# Altium PCB DRV8432_MotorControler.PcbDoc
Units mil, origin at the board's own origin, x right, y up, seen from the top; angles counter-clockwise.
Board outline 2906.47 x 1828.55 mil, 2 copper layers (Top Layer, Bottom Layer); 56 components, 32 nets, 157 pads, 266 vias.
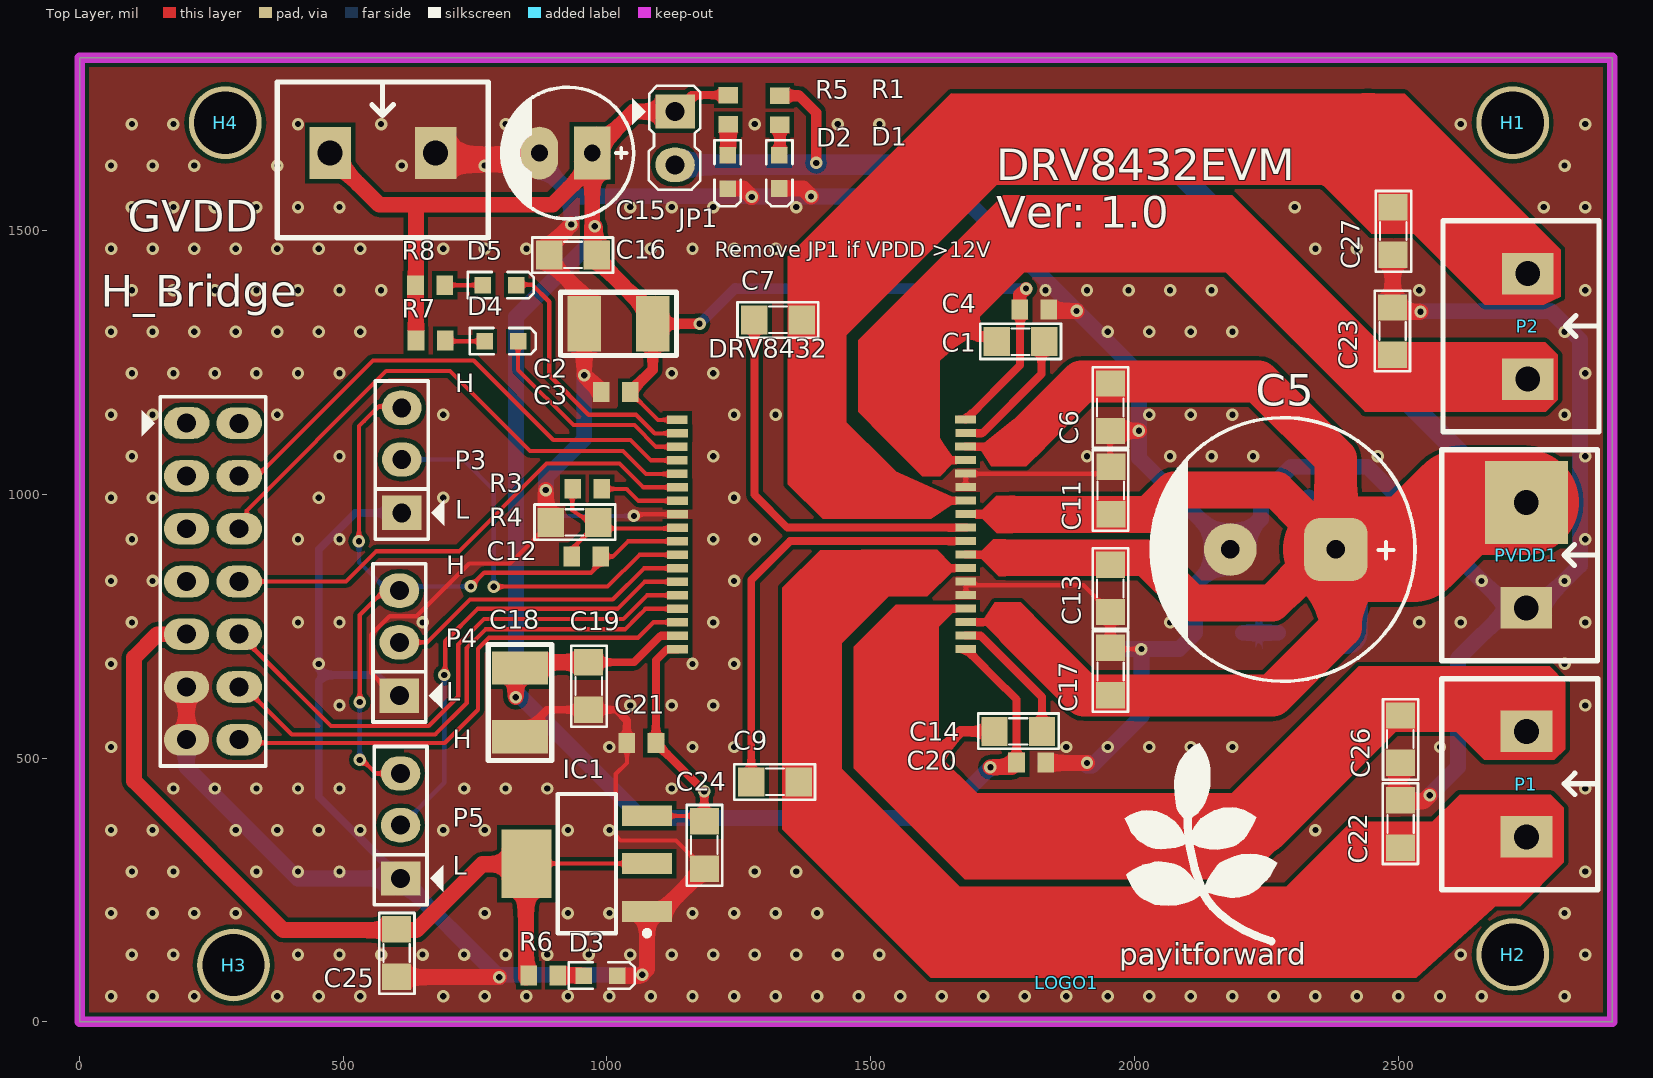
[diagram p0: Top Layer view]
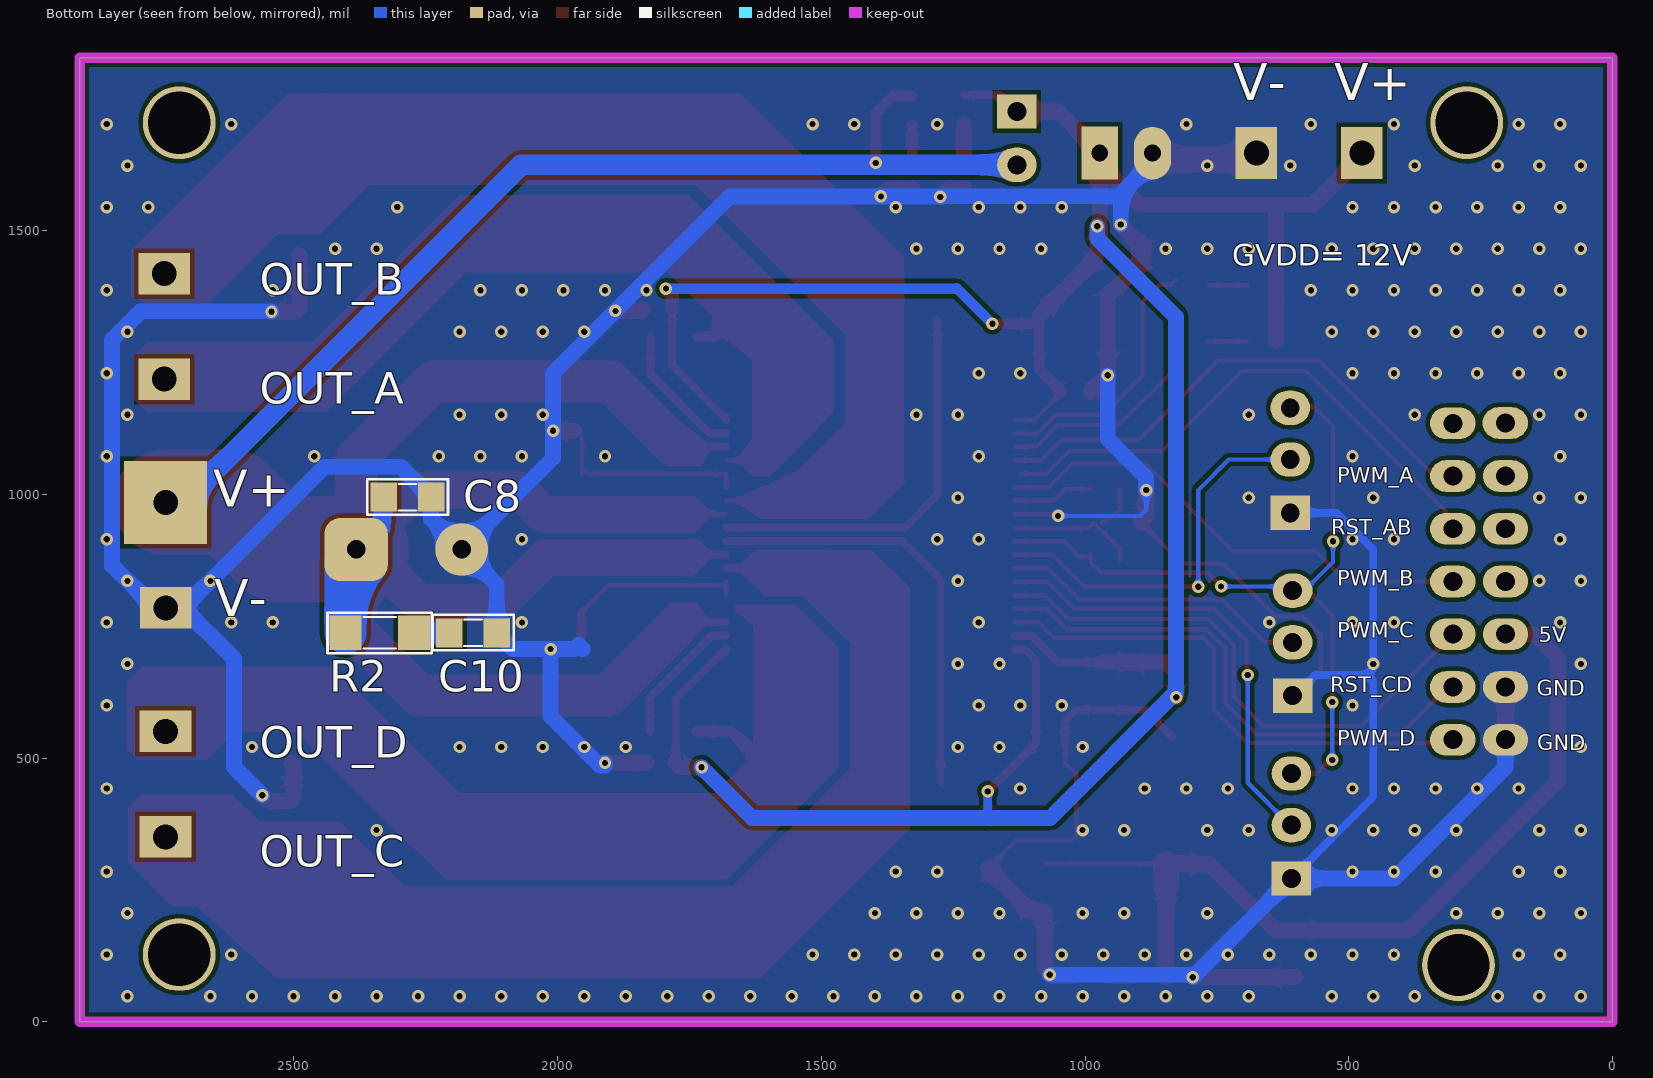
[diagram p1: Bottom Layer view, seen from below]
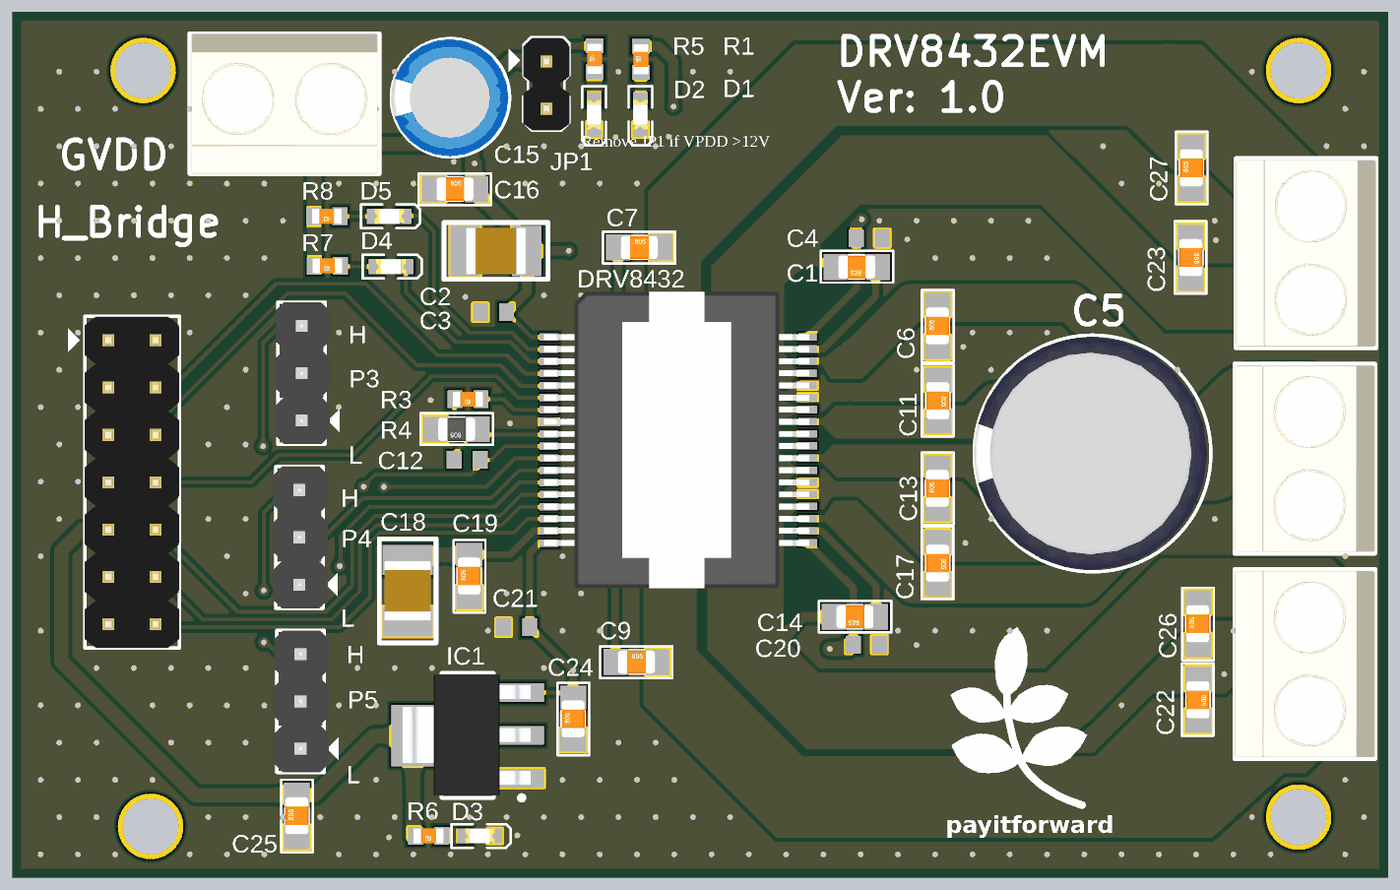
[diagram p2: 3D render of the assembled board from above, using the file's embedded part models]
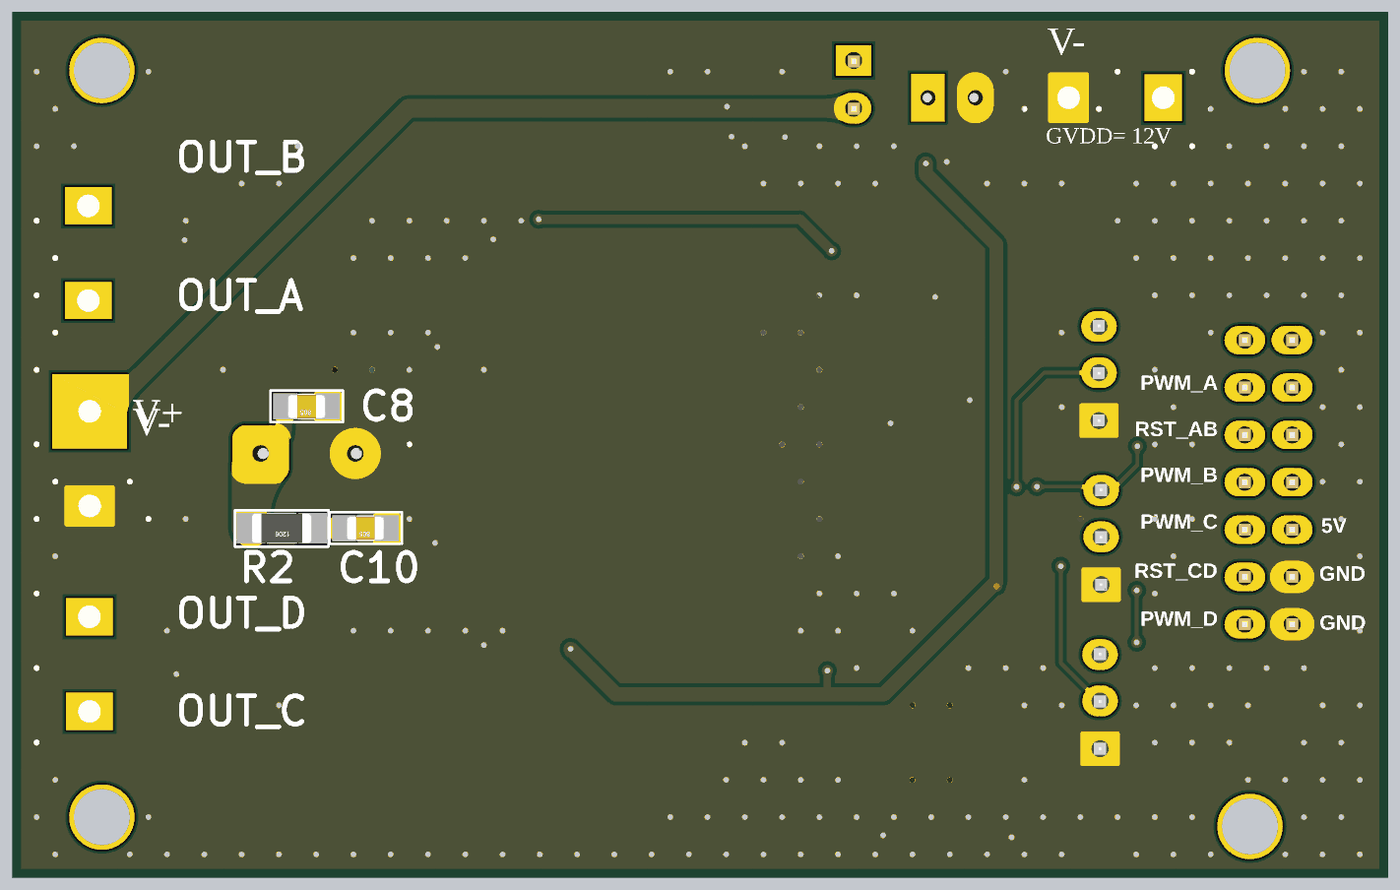
[diagram p3: 3D render of the assembled board from below, using the file's embedded part models]

## Layer stack, top to bottom
Top Solder: solder mask 0.4, Solder Resist, Dk 3.5
Top Layer: signal copper 1.4
Dielectric 1: dielectric 12.6, FR-4, Dk 4.8
Bottom Layer: signal copper 1.4
Bottom Solder: solder mask 0.4, Solder Resist, Dk 3.5

## Board outline
0,0 2906.46,0 2906.46,1828.55 0,1828.55

## Design rules (kind name [scope] priority, off if disabled: settings)
Clearance [All] p1: gap=8 ignorepadtopadclearanceinfootprint=FALSE
PlaneConnect [All] p1: planeconnectstyle=Direct reliefexpansion=20 reliefentries=4 reliefconductorwidth=10 reliefairgap=10
PolygonConnect [All] p1: connectstyle=Direct reliefconductorwidth=10 reliefentries=4 polygonreliefangle="90 Angle" airgapwidth=10
RoutingVias [All] p1: holewidth=11.81 width=23.62 viastyle="Through Hole" minholewidth=11.81 minwidth=23.62 maxholewidth=196.85 maxwidth=196.85
SolderMaskExpansion [All] p1: expansion=4
Width [All] p1: maxlimit=200 minlimit=8 preferedwidth=15 minimp=50.000000 maximp=50.000000 favimp=50.000000
29 further rules are at their usual default settings.

## Components (designator, comment, footprint, x,y, rotation, side; value= is the part's Value field where it differs from the comment)
C1 "Cap Non-Pol SMD" CAP-SM-0805 1828.93,1289.91 r180 top value=0.1ufd/100V
C2 "Cap Non-Pol SMD" CAP-SM-1210 1021.79,1323.73 r0 top value=100nF
C3 "Cap Non-Pol SMD" CAP-SM-0603 1016.45,1194.2 r180 top value=1ufd/16v
C4 "Cap Non-Pol SMD" CAP-SM-0603 1810.32,1350.89 r0 top value=1ufd/16v
C5 "Cap Pol" CP2/5 2381.98,895.84 r180 top locked value=1000ufd/63V
C6 "Cap Non-Pol SMD" CAP-SM-0805 1954.39,1120.4 r90 top value=0.1ufd/100v
C7 "Cap Non-Pol SMD" CAP-SM-0805 1279.54,1331.26 r0 top value=0.1ufd/100V
C8 "Cap Non-Pol SMD" CAP-SM-0805 2239.92,994.95 r0 bottom value=0.1ufd/100V
C9 "Cap Non-Pol SMD" CAP-SM-0805 1273.52,455.31 r0 top value=0.1ufd/100V
C10 "Cap Non-Pol SMD" CAP-SM-0805 2115.51,737.86 r0 bottom value=0.1ufd/100V
C11 "Cap Non-Pol SMD" CAP-SM-0805 1955.39,1052.4 r270 top value=0.1ufd/100v
C12 "Cap Non-Pol SMD" CAP-SM-0603 960.92,882.33 r180 top value=0.1ufd/16v
C13 "Cap Non-Pol SMD" CAP-SM-0805 1954.39,777.19 r90 top value=0.1ufd/100v
C14 "Cap Non-Pol SMD" CAP-SM-0805 1824.87,550.85 r180 top value=0.1ufd/100V
C15 "Cap Pol" CP1/2.5 972.16,1647.39 r180 top value=330ufd/16v
C16 "Cap Non-Pol SMD" CAP-SM-0805 890.35,1454.35 r0 top value=0.1ufd/16v
C17 "Cap Non-Pol SMD" CAP-SM-0805 1954.89,709.2 r270 top value=0.1ufd/100v
C18 "Cap Non-Pol SMD" CAP-SM-1210 835.1,605.84 r90 top value=100nF
C19 "Cap Non-Pol SMD" CAP-SM-0805 965.35,591.97 r90 top value=0.1ufd/16v
C20 "Cap Non-Pol SMD" CAP-SM-0603 1804.12,491.94 r180 top value=1ufd/16v
C21 "Cap Non-Pol SMD" CAP-SM-0603 1065.35,528.81 r0 top value=1ufd/16v
C22 "Cap Non-Pol SMD" CAP-SM-0805 2504.69,420.47 r270 top value=0.1ufd/16v
C23 "Cap Non-Pol SMD" CAP-SM-0805 2489.54,1354.69 r270 top value=0.1ufd/16v
C24 "Cap Non-Pol SMD" CAP-SM-0805 1184.64,290.38 r90 top value=0.1ufd/16v
C25 "Cap Non-Pol SMD" CAP-SM-0805 601.07,85.63 r90 top value=0.1ufd/16v
C26 "Cap Non-Pol SMD" CAP-SM-0805 2504.34,491.09 r90 top value=0.1ufd/16v
C27 "Cap Non-Pol SMD" CAP-SM-0805 2490.85,1454.48 r90 top value=0.1ufd/16v
D1 "LED SMD" LED_0603_Blue 1326.89,1611.7 r270 top
D2 "LED SMD" LED_0603_Blue 1229,1611.59 r270 top
D3 "LED SMD" LED_0603_Blue 987.79,87.86 r0 top
D4 "LED SMD" LED_0603_Blue 800,1290.7 r0 top
D5 "LED SMD" LED_0603_Blue 796.34,1396.91 r0 top
DRV8432 "DRV8432" PCBComponent_1 1423.58,924.37 r270 top
GVDD "Domino 2" "DOMINO 2- 5mm"#1 575.08,1647.39 r0 top (schematic designator GVDD1)
H1 "Hole" "LO KHOAN 3MM" 2717.32,1704.88 r0 top
H2 "Hole" "LO KHOAN 3MM" 2717.32,127.62 r0 top
H3 "Hole" "LO KHOAN 3MM" 292.01,107.94 r0 top
H4 "Hole" "LO KHOAN 3MM" 276.37,1704.88 r0 top
H_Bridge "Header 7X2" JP7X2 202.75,1135.1 r270 top (schematic designator H_Bridge1)
IC1 "LM1117" SOT223-4N 961.8,300.17 r180 top value=LM317
JP1 "Jumper 2" JP2 1129.23,1726.1 r270 top
LOGO1 "LOGO PIF" "PIF LOGO TOP OVERLAY" 1871.65,74.41 r0 top
P1 "Domino 2" "DOMINO 2- 5mm"#1 2743.51,450.85 r270 top
P2 "Domino 2" "DOMINO 2- 5mm"#1 2745.87,1318.96 r270 top
P3 "Header 3" JP3 610.91,1065.37 r90 top
P4 "Header 3" JP3 606.4,718.72 r90 top
P5 "Header 3" JP3 608.65,372.07 r90 top
PVDD1 "Domino 2" "DOMINO 2- 5mm"#2 2743.12,884.91 r270 top
R1 "RESISTOR SMD" RES-SM-0603 1327.89,1701.64 r90 top value=2K2
R2 "RESISTOR SMD" RES-SM-1206 2272.36,737.86 r0 bottom value="3.3 1/4W"
R3 "RESISTOR SMD" RES-SM-0603 989.45,1010.7 r180 top value=27K
R4 "RESISTOR SMD" RES-SM-0805 983.65,946.99 r180 top value=1-1/4W
R5 "RESISTOR SMD" RES-SM-0603 1230.13,1702.62 r90 top value=2K2
R6 "RESISTOR SMD" RES-SM-0603 906.29,88.25 r180 top value=1K
R7 "RESISTOR SMD" RES-SM-0603 692.57,1291.96 r180 top value=470
R8 "RESISTOR SMD" RES-SM-0603 691.59,1396.91 r180 top value="3.3 1/4W"

## Footprints (in the part's own frame and the unit in brackets; to place one, negate y for a bottom-side part, rotate by r counter-clockwise, add the part's x,y. Pads: shape width x height; smd on the part's side, far side on the other; paste and mask are expansions set on the pad)
CAP-SM-0603 [mm] "SMD Ceramic Capacitor Size 0603"
  rect 0.8x0.95 smd: 1(-0.7,0) 2(0.7,0)
  body extent -0.85,-0.45 0.85,0.45, height 0.6
CAP-SM-0805 [mil]
  rect 50x55 smd: 1(0,0) 2(90,0)
  silkscreen extent -32,-34 121,33, body extent 6,-25 84,25, height 31
CAP-SM-1210 [mil]
  rect 63x106 smd: 1(-65,0) 2(65,0)
  silkscreen extent -110,-60 110,60, body extent -63,-49 63,49, height 51
CP1/2.5 [mil] "Tu hoa 33 >100 uF,50V, 220uF/16V,25V"
  rect 70x100 hole 32: 1(0,0)
  oval 70x100 hole 32: 2(100,0)
  silkscreen extent -78,-125 172,125, body extent -76,-124 172,124, height 422
CP2/5 [mil] "222,50V"
  rrect50% 120x120 hole 35: 1(0,0)
  round 100 hole 35: 2(200,0)
  silkscreen extent -150,-250 350,250, body extent -142,-246 350,246, height 984
"DOMINO 2- 5mm"#1 [mm]
  rect 2x2.5 hole 1.2: 1(-2.54,0) 2(2.54,0)
  silkscreen extent -5.08,-4.08 5.08,3.43, body extent -5,-4.07 5,3.43, height 10
"DOMINO 2- 5mm"#2 [mm]
  rect 4x4 hole 1.2: 1(-2.54,0)
  rect 2x2.5 hole 1.2: 2(2.54,0)
  silkscreen extent -5.08,-4.08 5.08,3.43, body extent -5,-4.07 5,3.43, height 10
JP2 [mil]
  rect 65x75 hole 36: 1(0,0)
  oval 65x75 hole 36: 2(101,0)
  silkscreen extent -49,-81 148,48, body extent -48,-50 148,48, height 323
JP3 [mil] "Jumper 3"
  rect 65x75 hole 36: 1(-100,0)
  oval 65x75 hole 36: 2(1,0) 3(99,0)
  silkscreen extent -150,-81 150,50, body extent -150,-60 150,55, height 355
JP7X2 [mil]
  oval 60x86 hole 36: 1(-0.5,0.5) 2(0,100) 3(100,0) 4(100,100) 5(200,0) 6(200,100) 7(300,0) 8(300,100) 9(400,0) 10(400,100) 11(500,0) 12(500,100) 13(600,0) 14(600,100)
  silkscreen extent -51,-85 650,151, body extent -50,-50 650,150, height 335
LED_0603_Blue [mm] "Chip LED, 2-Leads, Body 1.6x0.8mm, IPC Medium Density"
  rect 0.8x0.8 smd: 1(-0.8,0) 2(0.8,0)
  silkscreen extent -1.52,-0.64 1.65,0.64, body extent -0.8,-0.4 0.8,0.4, height 0.7
"LO KHOAN 3MM" [mil]
  round 138 hole 118.1: 1(0,0)
PCBComponent_1 [mm]
  rect 0.4x1 smd: 1(-5.521,-7.369) 2(-4.871,-7.359) 3(-4.221,-7.369) 4(-3.571,-7.369) 5(-2.921,-7.369) 6(-2.271,-7.359) 7(-1.621,-7.359) 8(-0.971,-7.359) 9(-0.321,-7.359) 10(0.329,-7.359) 11(0.979,-7.359) 12(1.629,-7.359) 13(2.279,-7.359) 14(2.929,-7.359) 15(3.579,-7.359) 16(4.229,-7.359) 17(4.879,-7.359) 18(5.529,-7.359) 19(5.519,6.521) 20(4.869,6.521) 21(4.219,6.521) 22(3.569,6.521) 23(2.919,6.521) 24(2.269,6.521) 25(1.619,6.521) 26(0.969,6.521) 27(0.319,6.521) 28(-0.331,6.521) 29(-0.981,6.521) 30(-1.631,6.521) 31(-2.281,6.521) 32(-2.931,6.511) 33(-3.581,6.511) 34(-4.231,6.511) 35(-4.881,6.521) 36(-5.531,6.511)
  body extent -7.95,-7.63 7.95,6.61, height 3.5
"PIF LOGO TOP OVERLAY" [mil]
  silkscreen extent 110,79 399,454
RES-SM-0603 [mm]
  rect 0.8x0.95 smd: 1(-0.014,0) 2(1.386,0)
  body extent -0.11,-0.4 1.49,0.4, height 0.3
RES-SM-0805 [mil]
  rect 50x55 smd: 1(0,0) 2(90,0)
  silkscreen extent -32,-34 121,33, body extent 6,-25 84,25, height 31
RES-SM-1206 [mil]
  rect 60x65 smd: 1(0,0) 2(130,0)
  silkscreen extent -34,-38 164,39, body extent 2,-31 128,31, height 40
SOT223-4N [mm] "SOT223, 4-Leads, Body 6.5x3.5mm, Pitch 2.3mm, Lead Span 7mm, IPC Medium Density"
  rect 2.4x1 smd: 1(-2.9,2.3) 2(-2.9,0) 3(-2.9,-2.3)
  rect 2.4x3.3 smd: 4(2.9,0)
  silkscreen extent -3.03,-3.35 1.4,3.47, body extent -3.39,-3.27 3.5,3.23, height 1.72

## Part data
C1 C2 C3 C4 C6 C7 C8 C9 C10 C11 C12 C13 C14 C16 C17 C18 C19 C20 C21 C22 C23 C24 C25 C26 C27: "Capacitor"
C5 C15: "Polarized Capacitor (Radial)"
D1 D2 D3 D4 D5: "LED"
DRV8432: library part Component_1
GVDD P1 P2 PVDD1: "Domino, 2-Pin", LatestRevisionDate=17-Jul-2002, LatestRevisionNote="Re-released for DXP Platform.", Publisher="Altium Limited"
H1 H2 H3 H4: "Hole 3mm"
H_Bridge: "Header, 7-Pin, Dual row", LatestRevisionDate=17-Jul-2002, LatestRevisionNote="Re-released for DXP Platform.", Publisher="Altium Limited"
IC1: "Available in 1.8V, 2.5V, 2.85V, 3.3V, 5V, and  Adjustable Versions"
P3 P4 P5: "Header, 3-Pin", LatestRevisionDate=17-Jul-2002, LatestRevisionNote="Re-released for DXP Platform.", Publisher="Altium Limited"
R1 R2 R3 R4 R5 R6 R7 R8: "Resistor"

## Via types
v1: diameter 23.62, hole 11.81, Top Layer to Bottom Layer, tented both sides, 266 vias

## Nets (pads, with @x,y where several pads share a name; then routed paths per layer and width w, separated by ;. In a path a pad name is that pad's centre, name@x,y a point inside that pad or via, vN(x,y) a via of type N, cw(c..) or ccw(c..) an arc to the next point about the centre after c; other vN are vias at no path point)
5V: C25.2 H_Bridge.9 IC1.2 IC1.4 R6.2 | length 1708.4
  Top Layer w8: IC1.4 IC1.2
  Top Layer w30: H_Bridge.9 147.52,735.1 103.54,691.12 103.54,456.76 386.22,174.08 638.47,174.08 763.55,299.16 846.62,299.16 IC1.4 ; R6.2@846.62,84.32 IC1.4@846.62,258.73
  Top Layer w50: IC1.4@846.62,258.73 IC1.4@846.62,299.16
BST_A: C1.1 DRV8432.35 | length 260.5
  Top Layer w15: DRV8432.35@1680.63,1116.36 1711.94,1116.36 1823.89,1228.32 C1.1@1823.89,1299.2
BST_B: C7.1 DRV8432.28 | length 758.5
  Top Layer w15: C7.1 1279.54,999.69 1342,937.23 DRV8432.28@1680.63,937.23
BST_C: C9.1 DRV8432.27 | length 820.4
  Top Layer w15: C9.1 1273.52,838.16 1347,911.64 DRV8432.27@1680.63,911.64
BST_D: C14.1 DRV8432.20 | length 257.7
  Top Layer w15: DRV8432.20@1680.63,732.51 1708.37,732.51 1824.87,616 C14.1
FAULT: D4.2 DRV8432.3 | length 417
  Top Layer w8: D4.2 831.49,1236.43 936.36,1131.56 1052.08,1131.56 1093.26,1090.38 DRV8432.3@1133.77,1090.38
GND: C2.1 C3.2 C4.2 C5.2 C6.1 C8.1 C10.1 C11.1 C13.1 C15.2 C16.1 C17.1 C18.1 C19.1 C20.1 C21.1 C22.1 C23.1 C24.1 C25.1 C26.1 C27.1 D1.2 D2.2 D3.2 DRV8432.8 DRV8432.23 DRV8432.24 DRV8432.31 DRV8432.32 GVDD.2 H_Bridge.11 H_Bridge.13 IC1.1 P3.1 P4.1 P5.1 PVDD1.2 R4.2 | length 11094.8
  Top Layer w8: P4.1 595.66,618.72 553.01,661.37 553.01,734.26 588.04,769.29 639.07,769.29 738.93,869.16 815.82,869.16 R4.2 ; C21.1 1037.79,491.12 1016.73,470.07 1016.73,353.03 1025.6,344.16 1130.86,344.16 C24.1 ; v1(1051.18,959.49) 1054.11,962.43 DRV8432.8@1134.17,962.43 ; DRV8432.23@1680.63,809.28 1680.63,834.87 1687.62,827.87 1903.71,827.87 C13.1 ; DRV8432.31@1680.63,1014 1680.23,1014.4 1680.23,1039.59 1680.63,1039.2 1940.19,1039.2 1947.54,1046.55 1953.89,1040.2 C6.1@1953.89,1109.2 ; C17.1@1959.17,714.4 1966.65,706.92 v1(2013.44,706.92)
  Top Layer w15: C18.1 886.24,591.97 C19.1 1017.53,591.97 1037.79,571.71 C21.1
  Top Layer w15.75: C13.1 1954.39,719.17 C17.1@1959.17,714.4
  Top Layer w30: H_Bridge.13 H_Bridge.11 ; C25.1 601.8,84.9 v1(795.82,84.9) ; v1(883.86,1008.51) 883.86,956.79 R4.2 ; C16.1@886.61,1466.21 v1(932.43,1512.02) ; C16.1 890.35,1442.78 956.79,1376.34 C2.1 v1(956.79,1226.3) C3.2 ; D3.2 1064.04,87.86 1075.98,99.8 IC1.1 1103.88,209.62 C24.1 ; D2.2 1258.51,1580.09 v1(1274.37,1564.23) ; D1.2 1372.03,1580.21 v1(1387.08,1565.16) ; C20.1 1832.53,491.09 v1(1910.23,491.09) ; C4.2 1840.67,1348.1 v1(1890.55,1348.1) ; C6.1@1969.29,1121.07 v1(2008.66,1121.07) ; C27.1 2489.54,1453.17 C23.1 2497.68,1346.56 v1(2542.55,1346.56) ; C26.1 2500.43,487.18 2500.43,424.73 C22.1 2506.52,418.64 2548.97,418.64 v1(2559.97,429.64)
  Top Layer w50: GVDD.2@682.42,1635.31 860.08,1635.31 C15.2
  Bottom Layer w8: 538.89,961.4 606.94,961.4 P3.1 ; v1(883.86,1008.51) 883.86,971.16 895.52,959.49 v1(1051.18,959.49)
  Bottom Layer w15: P4.1@602.38,618.72 563.33,657.77 465.79,657.77 ; P5.1 453.54,427.18 453.54,645.52 465.79,657.77 ; P3.1 523.17,965.37 453.54,895.73 453.54,670.02 465.79,657.77
  Bottom Layer w20: P4.1@602.38,618.72 P4.1
  Bottom Layer w30: H_Bridge.13 202.75,483.16 413.85,272.07 P5.1 v1(795.82,84.9) 800.33,89.41 v1(1066.94,89.41) ; C15.2 872.16,1629.86 932.43,1569.6 ; v1(883.86,1008.51) 884.35,1009 884.35,1032.84 956.79,1105.29 v1(956.79,1226.3) ; v1(932.43,1512.02) 932.43,1569.6 ; v1(1910.23,491.09) 1910.23,485.93 1919.79,485.93 2013.44,579.58 v1(2013.44,706.92) ; 1952.61,706.92 1960.38,714.68 1968.14,706.92 v1(2013.44,706.92) ; v1(2542.55,1346.56) 2543.57,1347.57 2790.69,1347.57 2844.86,1293.4 2844.86,865.65 2764.11,784.91 PVDD1.2 PVDD1.2@2709.84,784.91 ; v1(2559.97,429.64) 2613.35,483.03 2613.35,688.42 PVDD1.2@2709.84,784.91 ; 932.43,1569.6 936.83,1565.2 958.6,1565.2 958.81,1565.41 1273.19,1565.41 v1(1274.37,1564.23) 1275.34,1565.2 1673.44,1565.2 v1(1890.55,1348.1) 2008.66,1229.99 v1(2008.66,1121.07) 2008.66,1069.17 C5.2 ; v1(2013.44,706.92) 2084.56,706.92 C10.1 2115.51,829.36 C5.2 ; C5.2 2239.92,953.77 C8.1 2297.79,1052.82 2441.92,1052.82 PVDD1.2@2709.84,784.91
  other v1: 59.84,48.89 138.58,48.89 217.32,48.89 374.8,48.89 453.54,48.89 532.28,48.89 689.76,48.89 768.5,48.89 847.24,48.89 925.98,48.89 1004.72,48.89 1083.46,48.89 1162.2,48.89 1240.94,48.89 1319.68,48.89 1398.42,48.89 1477.16,48.89 1555.9,48.89 1634.64,48.89 1713.38,48.89 1792.12,48.89 1870.86,48.89 1949.6,48.89 2028.34,48.89 2107.08,48.89 2185.82,48.89 2264.56,48.89 2343.31,48.89 2422.05,48.89 2500.79,48.89 2579.53,48.89 2658.27,48.89 2815.75,48.89 99.21,127.63 177.95,127.63 414.17,127.63 492.91,127.63 571.65,127.63 650.39,127.63 729.13,127.63 807.87,127.63 886.61,127.63 965.35,127.63 1044.09,127.63 1122.83,127.63 1201.57,127.63 1280.31,127.63 1359.05,127.63 1437.79,127.63 1516.53,127.63 2618.9,127.63 2855.12,127.63 59.84,206.37 138.58,206.37 217.32,206.37 296.06,206.37 768.5,206.37 925.98,206.37 1004.72,206.37 1162.2,206.37 1240.94,206.37 1319.68,206.37 1398.42,206.37 2815.75,206.37 99.21,285.11 177.95,285.11 335.43,285.11 414.17,285.11 492.91,285.11 1280.31,285.11 1359.05,285.11 2855.12,285.11 59.84,363.85 138.58,363.85 296.06,363.85 374.8,363.85 453.54,363.85 532.28,363.85 689.76,363.85 768.5,363.85 925.98,363.85 1004.72,363.85 2343.31,363.85 177.95,442.59 256.69,442.59 335.43,442.59 414.17,442.59 492.91,442.59 729.13,442.59 807.87,442.59 886.61,442.59 1122.83,442.59 2855.12,442.59 59.84,521.33 1004.72,521.33 1162.2,521.33 1240.94,521.33 1870.86,521.33 1949.6,521.33 2028.34,521.33 2107.08,521.33 2185.82,521.33 2579.53,521.33 492.91,600.07 1044.09,600.07 1122.83,600.07 1201.57,600.07 2855.12,600.07 59.84,678.81 453.54,678.81 1162.2,678.81 1240.94,678.81 2815.75,678.81 99.21,757.55 414.17,757.55 492.91,757.55 650.39,757.55 1201.57,757.55 2067.71,757.55 2540.16,757.55 2618.9,757.55 2855.12,757.55 59.84,836.29 138.58,836.29 1240.94,836.29 2658.27,836.29 2815.75,836.29 99.21,915.03 414.17,915.03 492.91,915.03 1201.57,915.03 1280.31,915.03 2067.71,915.03 2855.12,915.03 59.84,993.77 138.58,993.77 453.54,993.77 689.76,993.77 1240.94,993.77 99.21,1072.51 492.91,1072.51 1201.57,1072.51 1910.23,1072.51 2067.71,1072.51 2146.45,1072.51 2225.19,1072.51 2461.42,1072.51 2855.12,1072.51 59.84,1151.25 138.58,1151.25 374.8,1151.25 689.76,1151.25 1240.94,1151.25 1319.68,1151.25 2028.34,1151.25 2107.08,1151.25 2185.82,1151.25 2815.75,1151.25 99.21,1229.99 177.95,1229.99 256.69,1229.99 335.43,1229.99 414.17,1229.99 492.91,1229.99 1122.83,1229.99 1201.57,1229.99 2855.12,1229.99 59.84,1308.73 138.58,1308.73 217.32,1308.73 296.06,1308.73 374.8,1308.73 453.54,1308.73 532.28,1308.73 1949.6,1308.73 2028.34,1308.73 2107.08,1308.73 2185.82,1308.73 2815.75,1308.73 99.21,1387.47 177.95,1387.47 256.69,1387.47 335.43,1387.47 414.17,1387.47 492.91,1387.47 571.65,1387.47 1831.49,1387.47 1910.23,1387.47 1988.97,1387.47 2067.71,1387.47 2146.45,1387.47 2540.16,1387.47 2855.12,1387.47 59.84,1466.21 138.58,1466.21 217.32,1466.21 296.06,1466.21 374.8,1466.21 453.54,1466.21 532.28,1466.21 689.76,1466.21 768.5,1466.21 847.24,1466.21 1083.46,1466.21 1162.2,1466.21 1240.94,1466.21 1319.68,1466.21 2343.31,1466.21 2422.05,1466.21 99.21,1544.95 177.95,1544.95 256.69,1544.95 335.43,1544.95 414.17,1544.95 492.91,1544.95 1044.09,1544.95 1122.83,1544.95 1201.57,1544.95 1359.05,1544.95 2303.93,1544.95 2776.38,1544.95 2855.12,1544.95 59.84,1623.69 138.58,1623.69 217.32,1623.69 374.8,1623.69 611.02,1623.69 768.5,1623.69 2815.75,1623.69 99.21,1702.43 177.95,1702.43 414.17,1702.43 571.65,1702.43 807.87,1702.43 1280.31,1702.43 1437.79,1702.43 1516.53,1702.43 2618.9,1702.43 2855.12,1702.43
GVDD: C2.2 C3.1 C4.1 C15.1 C16.2 C18.2 C19.2 C20.2 C21.2 C24.2 DRV8432.1 DRV8432.17 DRV8432.18 DRV8432.19 DRV8432.36 GVDD.1 IC1.3 JP1.1 R5.2 R7.2 R8.2 | length 6023.1
  Top Layer w8: 658.89,1549.36 660.16,1548.09 ; C3.1 1096.65,1141.56 DRV8432.1@1133.77,1141.56 ; IC1.3 1160.07,390.72 C24.2@1177.53,373.27 ; C2.2@1085.48,1323.73 C2.2@1085.48,1340.9
  Top Layer w15: C19.2 1051.19,681.97 1101.33,732.11 DRV8432.17@1134.17,732.11 ; C21.2 1092.91,685.73 1113.7,706.52 DRV8432.18@1134.17,706.52 ; JP1.1 1160.31,1757.18 R5.2 ; DRV8432.36@1680.23,1141.95 1783.39,1245.12 C4.1@1783.39,1338.28 ; DRV8432.19@1680.63,706.92 1754.81,632.73 1755.52,632.73 1776.56,611.69 C20.2
  Top Layer w15.75: C21.2 v1(1184.58,437.14) C24.2 C24.2
  Top Layer w20: C3.1 1086.79,1236.98 C2.2 v1(1175.58,1323.73)
  Top Layer w25: C4.1 1782.76,1378.72 v1(1794.6,1390.55)
  Top Layer w30: GVDD.1@482.42,1635.31 568.37,1549.36 638.01,1549.36 ; R7.2 638.01,1549.36 ; v1(827.2,615.52) 827.2,662.93 C18.2 846.24,681.97 C19.2 ; C15.1 1050.87,1726.1 JP1.1 ; v1(976.75,1508.6) 976.75,1467.97 C16.2@972.16,1463.38 ; C2.2@1085.48,1340.9 980.35,1446.03 C16.2 C16.2@972.16,1462.54 ; v1(1727.1,482.96) 1767.59,482.96 C20.2 ; 638.01,1549.36 658.89,1549.36 896.82,1549.36 972.16,1624.7 C16.2@972.16,1463.38 ; C16.2@972.16,1462.54 C16.2@972.16,1463.38 ; C16.2@972.16,1462.54 971.74,1462.96 C16.2@972.16,1463.38
  Bottom Layer w15.75: v1(1184.58,437.14) 1184.58,388.57 1186.4,386.75
  Bottom Layer w20: v1(1175.58,1323.73) 1242.89,1391.04 1243.38,1390.55 v1(1794.6,1390.55)
  Bottom Layer w30: v1(976.75,1508.6) 976.75,1486.16 827.77,1337.17 827.77,624.84 1065.86,386.75 1186.4,386.75 1630.88,386.75 v1(1727.1,482.96) ; v1@1724.45,478.21 v1@1725.57,479.33
M1: DRV8432.13 P5.2 | length 906.4
  Top Layer w8: v1(691.59,657.77) 693.34,657.77 693.34,721.76 754.88,783.29 1019.96,783.29 1071.14,834.47 DRV8432.13@1134.17,834.47
  Bottom Layer w8: P5.2@576.18,372.9 611.09,372.9 691.59,453.4 v1(691.59,657.77)
M2: DRV8432.12 P4.2 | length 585.9
  Top Layer w8: P4.2 658.98,719.72 740.37,801.11 1011.09,801.11 1070.05,860.07 DRV8432.12@1134.17,860.07
M3: DRV8432.11 P3.2 | length 758.9
  Top Layer w8: v1@781.88,825.48 1001.3,825.48 1061.47,885.66 DRV8432.11@1134.17,885.66
  Bottom Layer w8: P3.2 727.44,1066.37 785.17,1008.63 v1(785.17,825.11)
NetC10_2: C10.2 R2.1 | length 66.9
  Bottom Layer w30: C10.2 R2.1
NetC12_2: C12.2 DRV8432.9 R3.2 R4.1 | length 331.2
  Top Layer w8: C12.2 933.36,896.7 R4.1 994.96,935.68 1133.01,935.68 DRV8432.9@1134.17,936.84 ; C12.2@934.25,874.2 C12.2@934.25,882.33 ; R3.2@934.33,1010.7 934.33,970.16 R4.1@968.56,946.99
NetD1_1: D1.1 R1.1 | length 58.3
  Top Layer w20: D1.1 1327.89,1644.2 R1.1
NetD2_1: D2.1 R5.1 | length 59.4
  Top Layer w30: D2.1 1230.13,1644.21 R5.1
NetD3_1: D3.1 R6.1 | length 49.6
  Top Layer w30: R6.1 955.9,88.25 D3.1
NetD4_1: D4.1 R7.1 | length 75.9
  Top Layer w8: R7.1 694.4,1290.7 D4.1
NetD5_1: D5.1 R8.1 | length 72.7
  Top Layer w8: R8.1 D5.1
NetDRV8432_7: DRV8432.7 R3.1 | length 154.1
  Top Layer w8: R3.1@989.45,1010.7 1037.4,1010.7 1060.07,988.02 DRV8432.7@1134.17,988.02
OTW: D5.2 DRV8432.2 | length 508.8
  Top Layer w8: D5.2@827.55,1407.15 836.79,1397.92 858.02,1397.92 890.49,1365.45 890.49,1226.11 965.35,1151.25 1055.3,1151.25 1090.58,1115.97 DRV8432.2@1134.17,1115.97
OUT_A: C1.2 C23.2 DRV8432.33 P2.2 | length 1790.5
  Top Layer w8: 1565.17,1137.56 1637.55,1065.18 DRV8432.33@1680.23,1065.18 ; 1575.07,1220.38 1589.69,1235 ; 1663.89,1309.2 1693.89,1309.2
  Top Layer w20: 1654.45,1348.79 1704.03,1299.2 C1.2@1733.89,1299.2
  Top Layer w100: 1565.17,1137.56 1565.17,1259.51 1654.45,1348.79 1654.45,1394.28 1739.36,1479.2 2204.01,1479.2 2464.25,1218.96 P2.2@2712.59,1218.96
OUT_B: C7.2 C27.2 DRV8432.30 P2.1 | length 2972.5
  Top Layer w8: 1554.99,988.41 DRV8432.30@1680.63,988.41
  Top Layer w100: 1511.4,1009.85 1404.59,1116.66 1404.59,1323 1737.3,1655.71 2379.62,1655.71 ; C27.2 2379.62,1655.71 ; 2498.29,1655.71 P2.1@2712.59,1441.4 ; P2.1@2712.59,1418.96 P2.1@2712.59,1436.13 ; 2379.62,1655.71 2493.01,1655.71 ; 2493.01,1655.71 P2.1@2712.59,1436.13 ; 2493.01,1655.71 2437.27,1711.45 2449.15,1711.45 2712.59,1448.01 P2.1@2712.59,1441.4 ; P2.1@2712.59,1436.13 P2.1@2712.59,1441.4
OUT_C: C9.2 C22.2 DRV8432.25 P1.2 | length 2130.3
  Top Layer w15: 1492.9,835.53 1517.83,860.46 DRV8432.25@1680.63,860.46
  Top Layer w100: 1492.9,835.53 1385.66,728.29 1385.66,449.32 1648.59,186.39 2360.62,186.39 C22.2 2689.85,330.47 P1.2@2710.23,350.85
OUT_D: C14.2 C26.2 DRV8432.22 P1.1 | length 1734.1
  Top Layer w20: 1580.47,460.54 1670.77,550.85 C14.2
  Top Layer w100: 1527.98,686.24 1527.98,513.03 1580.47,460.54 1672.73,368.28 2243.23,368.28 2487.61,612.66 2648.42,612.66 P1.1@2710.23,550.85
PVDD: C5.1 C6.2 C8.2 C11.2 C13.2 C17.2 DRV8432.21 DRV8432.26 DRV8432.29 DRV8432.34 JP1.2 PVDD1.1 R1.2 R2.2 | length 6320.7
  Top Layer w8: DRV8432.29@1680.63,962.82 1768.5,962.82 ; 1731.26,886.05 1750.87,886.05 ; 1756.72,880.2 1769.73,867.19
  Top Layer w15: DRV8432.34@1680.23,1090.77 1789.77,1090.77 ; DRV8432.21@1680.63,758.1 1750,758.1 1772.91,735.18 ; DRV8432.26@1680.63,886.05 1731.26,886.05 ; 1819.07,1090.77 C6.2@1927.49,1199.2
  Top Layer w20: R1.2 1364.89,1756.2 1396.89,1724.2 1396.64,1723.94 v1(1396.64,1628.72)
  Top Layer w50: C5.1@2381.98,926.94 C5.1@2384.98,929.94
  Top Layer w70: 1756.72,880.2 2023.53,880.2 2109.29,794.44 2261.38,794.44 C5.1@2372.38,905.44 ; 1768.5,962.82 1768.92,962.4 C11.2 ; C11.2@1956.79,962.4 2027.68,962.4 2073.82,1008.54 2269.28,1008.54 2324.08,953.74
  Top Layer w80: 1776.69,746.99 1904.48,619.2 C17.2 2001.41,619.2 2001.18,618.96 2262.19,618.96 2391.26,748.03 C5.1@2386.16,895.84 ; 1789.77,1104.2 1899.77,1214.2 2235.61,1214.2 2381.98,1067.82 C5.1@2381.98,926.94 ; C5.1@2384.98,929.94 2385.26,921.69 C5.1@2385.26,896.73
  Top Layer w150: PVDD1.1@2682.46,985.72 PVDD1.1@2737.46,985.72
  Top Layer w200: C5.1 2386.16,895.84 C5.1@2385.26,896.73 ; C5.1@2411.12,895.84 2528.45,895.84 2617.52,984.91 PVDD1.1
  Bottom Layer w30: C8.2 2330.86,994 2330.86,946.96 C5.1
  Bottom Layer w39.37: JP1.2 2069.65,1625.1 PVDD1.1@2709.84,984.91
  Bottom Layer w80: C5.1 2402.36,875.46 R2.2
PWM_A: DRV8432.4 H_Bridge.4 | length 1000.2
  Top Layer w8: H_Bridge.4 337.32,1035.1 556.39,1254.18 747.35,1254.18 898.13,1103.39 1044.74,1103.39 1083.35,1064.79 DRV8432.4@1133.77,1064.79
PWM_B: DRV8432.6 H_Bridge.8 | length 942.7
  Top Layer w8: H_Bridge.8 505.22,835.1 562.42,892.31 719.23,892.31 885.6,1058.68 1023.89,1058.68 1068.96,1013.61 DRV8432.6@1134.17,1013.61
PWM_C: DRV8432.14 H_Bridge.10 | length 1063.9
  Top Layer w8: H_Bridge.10 476.82,561.04 662.11,561.04 718.13,617.06 718.13,715.54 766.81,764.22 1031.08,764.22 1075.75,808.88 DRV8432.14@1134.17,808.88
PWM_D: DRV8432.16 H_Bridge.14 | length 996.4
  Top Layer w8: H_Bridge.14 308.82,529.04 692.57,529.04 755.5,591.97 755.5,707.66 776.26,728.42 1059.06,728.42 1088.34,757.7 DRV8432.16@1134.17,757.7
RESET_AB: DRV8432.5 H_Bridge.6 | length 1056.8
  Top Layer w8: H_Bridge.6 325.98,935.1 317.18,943.9 317.18,969.83 581.38,1234.02 702.41,1234.02 854.14,1082.3 1030.66,1082.3 1074.23,1038.72 DRV8432.5@1122.09,1038.72
RESET_CD: DRV8432.15 H_Bridge.12 | length 1028.4
  Top Layer w8: H_Bridge.12 312.25,635.1 402.32,545.04 674.25,545.04 734.13,604.92 734.13,708.92 769.64,744.42 1034.03,744.42 1059.32,769.71 1059.32,769.83 1072.78,783.29 DRV8432.15@1134.17,783.29
V_REG: C12.1 DRV8432.10 P3.3 P4.3 P5.3 | length 1425.4
  Top Layer w8: v1(529.78,911.2) 529.78,1129.67 538.67,1138.57 538.75,1138.49 567.37,1167.12 P3.3@582.08,1167.12 ; v1(531.18,496.86) 536.43,496.86 562.22,471.07 P5.3 ; v1(531.18,606.51) 531.18,771.4 577.5,817.72 P4.3 ; v1(742.06,825.76) 742.06,826.47 767.22,851.63 969.79,851.63 988.48,870.33 C12.1 1011.23,882.33 1040.15,911.25 DRV8432.10@1134.17,911.25
  Bottom Layer w8: v1(529.78,911.2) 529.78,871.72 P4.3@575.08,826.42 ; v1(531.18,496.86) v1(531.18,606.51) ; P4.3 619.8,831.11 625.14,825.76 v1(742.06,825.76)
pads on no net: H1.1 H2.1 H3.1 H4.1 H_Bridge.1 H_Bridge.2 H_Bridge.3 H_Bridge.5 H_Bridge.7

## Polygon pours and split planes (outlines as drawn)
GND on Top Layer (solid, remove dead copper, pour order 88): 0.05,0.05 2906.51,0.05 2906.51,1828.5 0.05,1828.5
no net on Top Layer "Top Layer-No Net 4" (solid, remove dead copper, pour order 14): 1773.89,997.2 1738.39,997.2 1711.35,970.16 1698.09,970.16 1698.09,955.2 1711.39,955.2 1739.39,927.2 1769.89,927.2
no net on Top Layer "Top Layer-No Net 8" (solid, remove dead copper, pour order 42): 1524.79,1107.42
no net on Top Layer "Top Layer-No Net 3" (solid, remove dead copper, pour order 22): 1750,915.2
no net on Top Layer "Top Layer-No Net 1" (solid, remove dead copper, pour order 6): 1621.47,962.14
no net on Top Layer "Top Layer-No Net" (solid, remove dead copper, pour order 4): 1933.89,619.2
GND on Bottom Layer (solid, remove dead copper, pour order 86): 0.05,1828.5 0.05,0.05 2906.51,0.05 2906.51,1828.5

## Keep-outs
Keep-Out Layer:
  the board outline again, w20

## Other copper
Top Layer:
  region net OUT_B: 1544.43,1045.08 1544.43,1000.65 1497.56,953.77 1408.8,953.8 1342.99,1019.84 1342.99,1451.32 1343.6,1451.32 1652.69,1760.41 2512.65,1760.07 2808.25,1464.47 2808.25,1374.55 2776.33,1359.92 2664.53,1359.92 2529.18,1495.28 2528.46,1494.57 2449.32,1494.57 2449.32,1495.27 2356.95,1587.64 1737.6,1587.64 1737.6,1585.46 1453.92,1301.78 1453.92,1135.68 1545.01,1044.59
  region net OUT_C: 2616.51,431.16 2789.26,431.16 2814.16,406.27 2814.16,302.41 2731.47,219.72 2684.87,219.72
  region net OUT_D: 1547.14,790.93 1467.95,711.74 1467.95,480.63 1677.95,270.63 2212.43,270.63 2492.31,550.5 2610,550.5 2663.85,496.66 2796.54,496.66 2817.33,517.45 2817.33,644.12 2787.25,674.21 2425.55,674.21 2184.62,433.28 1701.99,433.28 1629.55,505.72 1629.55,772.7 1564.75,787.03
  region net OUT_C: 1485.97,894.82 1404.19,894.82 1332.76,823.38 1332.76,365.61 1614.38,83.99 2534.89,83.98 2805.8,328.46 2789.2,413.83 2725.07,431.16 2616.51,431.16 2564.92,379.58 2411.18,379.58 2287.74,256.14 1669.38,256.14 1445.57,479.95 1445.57,732.21 1449.32,732.21 1497.63,780.52
  region net OUT_A: 1528.12,1105.18 1476.74,1156.56 1476.74,1292.95 1751.17,1567.38 2185.93,1567.38 2464.45,1288.86 2778.67,1288.86 2802.79,1264.74 2802.78,1179.53 2780.04,1156.79 2436.4,1156.79 2436.4,1157.68 2172.81,1421.26 1791.13,1421.26 1630.76,1260.9 1630.76,1098.9
  region net OUT_A: 1514.55,1137.18
  region net PVDD: 1742.44,726.82 1718.35,750.91 1714.95,765.53 1735.5,795.92 1784.17,795.92 1808.89,771.2
  region net PVDD: 1755.89,915.2 1732.89,915.2 1707.89,890.2 1707.89,879.75 1742.44,845.2 1755.89,845.2
  region net PVDD: 1743.89,912.23
  region net PVDD: 1773.89,997.2 1738.39,997.2 1711.35,970.16 1698.09,970.16 1698.09,955.2 1711.39,955.2 1739.39,927.2 1769.89,927.2
  region net PVDD: 1771.74,1142.45 1715.65,1098.61 1695.52,1098.61 1695.52,1082.91 1709.76,1082.91 1728.75,1053.27 1794.97,1053.27 1829.89,1088.2
  region net OUT_D: 1577.16,690.41 1577.16,697.43 1655.78,776.05 1661.99,776.05 1661.99,791.56 1660.15,790.93 1547.14,790.93 1478.03,721.82 1478.03,675.19
  region net OUT_D: 1635.07,758.11
  region net OUT_C: 1533.17,806.66 1607.59,806.66 1653.31,852.38 1660.58,852.38 1660.58,868.32 1653.11,868.18 1625.95,895.34 1482.49,895.34 1454.42,867.27
  region net OUT_B: 1481.52,969.81 1497.56,953.77 1614.56,953.77 1654.11,980.95 1662,980.95 1662,995.43 1661.32,996.11 1654.69,996.11 1544.43,1045.08
  region net OUT_B: 1494.82,963.55
  region net OUT_A: 1524.79,1107.42 1597.39,1034.82 1631.65,1034.82 1654.16,1057.33 1662.86,1057.33 1662.86,1070.72 1660.82,1072.76 1654.91,1072.76 1638.7,1094.88 1614.16,1134.71
  region net OUT_A: 1614.55,1132.94
  region: 1661.67,1073.73
  region: 1661.67,1073.73
  region net OUT_A: 2610.84,1256.08
  region net OUT_B: 1654.59,999.39
  region: 1663.14,996.28
  region: 1661.32,996.11
  region: 1660.69,996.4
  region: 1660.69,996.4
  region net PVDD: 1738.59,846.1
  region: 1947.69,883.4
  region net PVDD: 1949.89,882.9
  region net PVDD: 1700.29,1083.4
  region net PVDD: 1954.69,1207
  region: 1957.89,1253.6

## Silkscreen, mask and mechanical layers (free items; w line width, h text height)
Top Overlay:
  text "DRV8432EVM / Ver: 1.0" at 1737.79,1505.5 h60
  text "Remove JP1 if VPDD >12V" at 1204.72,1439.37 h50
  text "H /  /  /  / L" at 712.27,941.82 h60
  text "H /  /  /  / L" at 695.75,596.77 h60
  text "H /  /  /  / L" at 707.8,266.41 h60
Bottom Overlay:
  text "V+" at 527.67,1723.57 h120
  text "V-" at 718.57,1723.57 h120
  text "GVDD= 12V" at 721.26,1419.68 h70
  text "OUT_B" at 2565.12,1378.43 h60
  text "OUT_A" at 2565.12,1171.9 h60
  text "PWM_A" at 521.8,1011.75 h50
  text "V+" at 2653.01,953.53 h120
  text "RST_AB" at 533.59,913.77 h50
  text "PWM_B" at 521.8,816.95 h50
  text "V-" at 2650.97,745.76 h120
  text "PWM_C" at 521.8,717.76 h50
  text "5V" at 139.73,709.49 h50
  text "RST_CD" at 534.71,614.31 h50
  text "GND" at 143.85,608.34 h50
  text "PWM_D" at 521.8,513.25 h50
  text "GND" at 143.01,504.72 h50
  text "OUT_D" at 2565.12,501 h60
  text "OUT_C" at 2565.12,294.47 h60

## Text inside footprints (layer, text, board x,y; h text height)
LOGO1: Top Overlay "payitforward" at 1971.65,94.41 h70